# Altium PCB PCB_control_unit.PcbDoc (part 2 of 2)
Units mm, origin at the board's own origin, x right, y up, seen from the top; angles counter-clockwise.
Board outline 61.5 x 45 mm, 4 copper layers (Top Layer, INT1, INT2, Bottom Layer), stack 1.49 mm thick; 117 components, 75 nets, 372 pads, 126 vias.
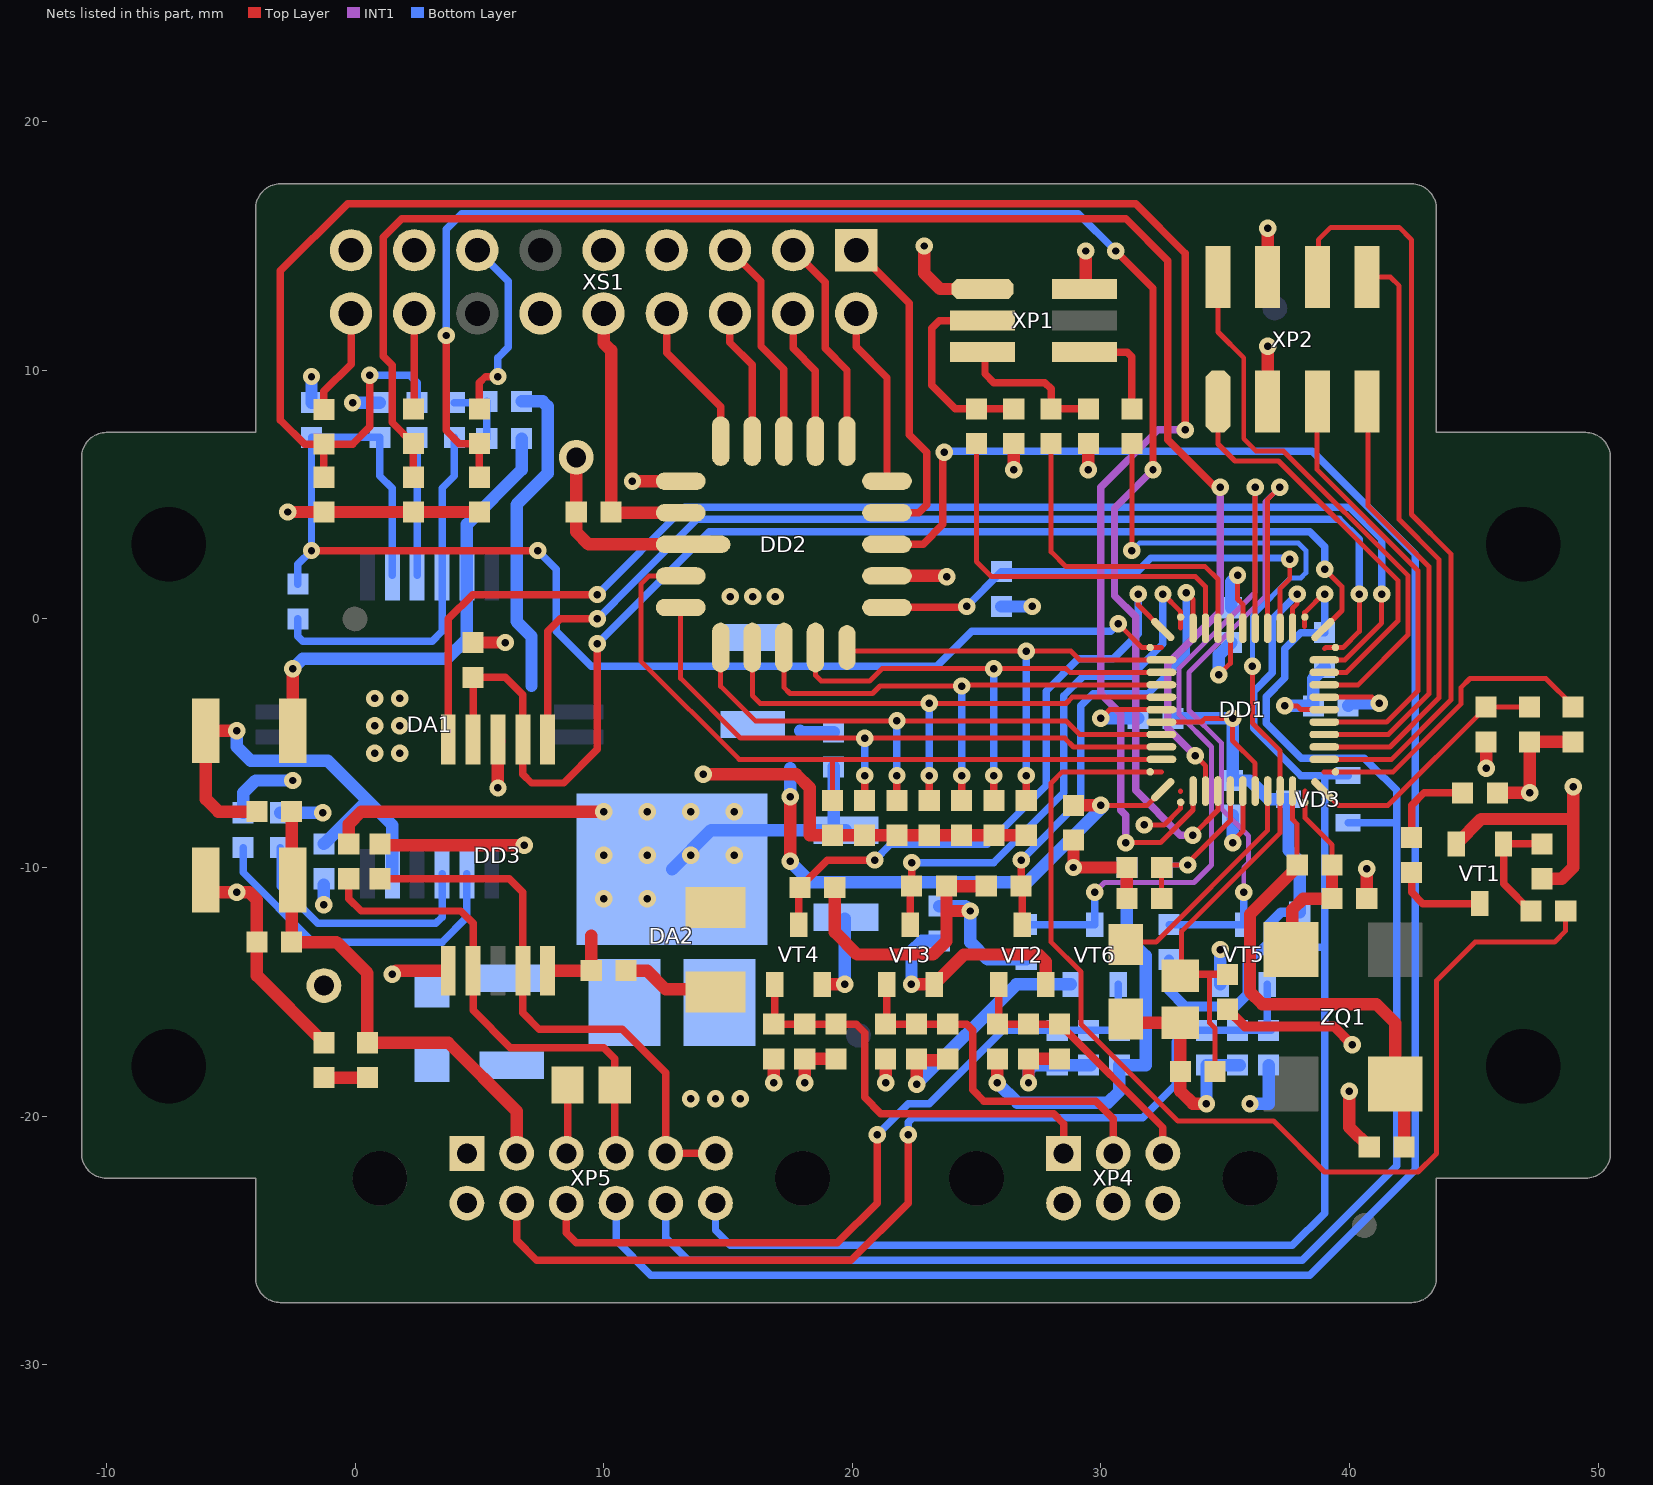
[diagram p4: the nets of this part, all layers, seen from the top]

## Part data (continued)
ZQ1: library part Oscilator_5070, Frequency=12MHz, LoadCapacitance=CMOS, Manufacturer="ОАО \"Морион\"", Package="case 5070", PartNumber=РК486-8ДС-12000K, Temperature=-40...+85°C, Tolerance=±30ppm, CommentPart=РК486-8ДС, HelpURL=http://www.lit-phonon.ru/downloads/RK486.pdf, MAX=00149842, TypeOscilator=Oscilator, ValueManufacturerPartNumber="Oscilator, 12MHz, CMOS, ±30ppm, case 5070, -40...+85°C"

## Free pads (board coordinates)
  round 0 hole 3 slot 5 at 90 deg unplated mask+0.2: KREP(-7.5,-18) KREP(-7.5,3) KREP(47,-18) KREP(47,3)

## Via types
v1: diameter 0.7, hole 0.3, Top Layer to Bottom Layer, tented both sides, 126 vias

## Nets (pads, with @x,y where several pads share a name; then routed paths per layer and width w, separated by ;. In a path a pad name is that pad's centre, name@x,y a point inside that pad or via, vN(x,y) a via of type N, cw(c..) or ccw(c..) an arc to the next point about the centre after c; other vN are vias at no path point)
5VDC_MOSFET: DD2.11 XP5.8 | length 86.8
  Top Layer w0.3: DD2.11@21.4,3 22.85,3 23.65,3.8 v1@23.65,6.7
  Bottom Layer w0.3: XP5.8@10.5,-23.5 10.5,-25 11.9,-26.4 38.4,-26.4 42.65,-22.15 42.65,2.6 38.5,6.75 v1@23.75,6.75
  other v1: 23.7,6.7
5VPWM_U_HI: DD2.16 XS1.5 | length 8.6
  Top Layer w0.3: XS1.5@15.08,14.83 16.33,13.58 16.33,10.97 17.25,10.05 DD2.16@17.25,7.15
5VPWM_U_LO: DD2.17 XS1.6 | length 5.5
  Top Layer w0.3: XS1.6@15.08,12.29 15.08,11.12 15.98,10.22 DD2.17@15.98,7.15
5VPWM_V_HI: DD2.14 XS1.3 | length 8.6
  Top Layer w0.3: XS1.3@17.62,14.83 18.91,13.54 18.91,10.89 19.79,10.01 DD2.14@19.79,7.15
5VPWM_V_LO: DD2.15 XS1.4 | length 5.5
  Top Layer w0.3: XS1.4@17.62,12.29 17.62,10.88 18.52,9.98 DD2.15@18.52,7.15
5VPWM_W_HI: DD2.12 XS1.1 | length 13.1
  Top Layer w0.3: XS1.1@20.16,14.83 22.3,12.69 22.3,7.4 23,6.7 23,4.6 22.67,4.27 DD2.12@21.4,4.27
5VPWM_W_LO: DD2.13 XS1.2 | length 7.3
  Top Layer w0.3: XS1.2@20.16,12.29 20.16,10.94 21.4,9.7 DD2.13@21.4,5.54
5VSD: DD2.18 XS1.8 | length 5.9
  Top Layer w0.3: XS1.8@12.54,12.16 12.54,10.71 14.71,8.54 DD2.18@14.71,7.15
5VTEST: C18.2 DD1.29 R27.2 R31.1 | length 7.1
  Top Layer w0.2: R31.1@32.45,-11.25 C18.2@32.45,-10 32.55,-9.9 v1(33.5,-9.9) 33.5,-9.819 35.211,-8.108 DD1.29@35.211,-6.925
  Bottom Layer w0.2: R27.2@32.45,-10 32.55,-9.9 v1(33.5,-9.9)
15DC_IN: R24.1 XS1.13 | length 7.7
  Top Layer w0.3: R24.1@5.05,8.5 R24.1@5,8.45 5,9.5 5.25,9.75 v1(5.75,9.75)
  Bottom Layer w0.3: XS1.13@4.92,14.83 6.17,13.58 6.17,10.92 5.75,10.5 v1(5.75,9.75)
15VTEST: C14.2 DD1.28 R24.2 | length 67.5
  Top Layer w0.2: v1@33.7,-8.55 v1(33.7,-8.7) 34.711,-7.689 DD1.28@34.711,-6.925
  Top Layer w0.3: v1(3.67,11.4) 3.67,7.58 4.2,7.05 R24.2@5,7.05 C14.2@5,5.7 ; v1(30.6,14.8) 32.1,13.3 v1(32.1,6)
  INT1 w0.3: v1(32.1,6) 30.55,4.45 30.55,0.94 31.4,0.09 31.4,-6.9 33.2,-8.7 v1(33.7,-8.7)
  Bottom Layer w0.3: v1(3.67,11.4) 3.67,15.67 4.3,16.3 29.1,16.3 v1(30.6,14.8)
+3.3V(A): C9.2 C24.2 DD1.24 L2.1 R19.1 R20.1 R25.2 XS1.15 | length 39.3
  Top Layer w0.2: v1(30,-7.5) 31.861,-7.5 DD1.24@32.491,-6.87
  Top Layer w0.5: v1(17.5,-9.75) v1(17.5,-7.15) ; C9.2@28.9,-7.5 v1(30,-7.5)
  Bottom Layer w0.5: R25.2@-3,-7.8 v1(-1.3,-7.8) ; v1(-0.1,8.7) R20.1@1,8.7 ; R19.1@6.7,8.75 7.55,8.75 7.75,8.55 7.75,5.85 6.5,4.6 6.5,-0.1 7.1,-0.7 7.1,-2.7 ; v1(17.5,-9.75) 18.35,-10.6 27.031,-10.6 30.1,-7.531 30.069,-7.5 v1(30,-7.5) ; v1(17.5,-7.15) 17.5,-6 ; 17.9,-4.5 17.95,-4.55 L2.1@19.25,-4.55
  other v1: 0.8,-5.4 1.8,-5.4 0.8,-4.3 1.8,-4.3 0.8,-3.2 1.8,-3.2
+3.3V(D): C4.2 C5.2 C6.2 C7.2 C21.1 C22.2 C23.2 C27.1 DA2.1 DD1.7 DD1.19 DD1.31 DD1.42 DD3.8 L2.2 R3.1 R9.1 R10.2 R29.1 R33.1 R36.1 R38.1 R39.1 R41.1 R44.1 R47.1 R51.1 SRV.1 VD3.3 XP1.1 XP2.3 | length 95
  Top Layer w0.2: DD1.19@32.436,-4.15 34.05,-4.15 34.2,-4 v1(35.3,-4) 35.3,-4.9 36.211,-5.811 DD1.31@36.211,-6.925 ; v1(34.75,-2.25) 35.211,-1.789 DD1.7@35.211,-0.375 ; v1@37.4,-3.65 v1(37.4,-3.5) 37.9,-3.5 38.05,-3.65 DD1.42@38.986,-3.65
  Top Layer w0.4: R10.2@35.1,-15.7 35.8,-16.4 39.381,-16.4 v1(40.116,-17.134)
  Top Layer w0.5: R44.1@-0.25,-9.05 -0.25,-8.25 0.25,-7.75 v1@9.75,-7.75 ; DD3.8@7.75,-14.15 C27.1@9.5,-14.15 9.5,-12.75 ; R36.1@19.3,-10.8 19.3,-12.6 20.2,-13.5 23.25,-13.5 23.792,-12.958 R33.1@23.792,-10.75 R29.1@25.392,-10.75 ; v1(22.9,15) 22.9,13.9 23.53,13.27 XP1.1@25.342,13.27 ; 23.842,-11.75 v1(24.75,-11.75) ; v1(26.5,6) R51.1@26.5,7.05 ; XP2.3@36.711,8.75 v1(36.711,10.961) ; R3.1@45.95,-7 v1(47.25,-7) SRV.1@47.25,-4.95 R9.1@49,-4.95
  Bottom Layer w0.4: R41.1@32.75,-13.7 32.75,-14.95 33.4,-15.6 35.4,-15.6 35.9,-15.1 35.9,-13.9 36.75,-13.05 36.75,-12.3 37.25,-11.8 R39.1@38,-11.8
  Bottom Layer w0.5: DA2.1@12.75,-10.075 14.325,-8.5 C23.2@19.75,-8.5 ; C23.2@19.25,-8.45 L2.2@19.25,-5.95 ; C22.2@23.5,-11.55 24.55,-11.55 v1(24.75,-11.75) 24.75,-13 25.45,-13.7 R47.1@27,-13.7 ; C4.2@32.9,-4 v1(35.3,-4) C7.2@35.3,-6.5 36,-6.5 36.75,-7.25 VD3.3@37.55,-7.25 37.55,-9.3 38,-9.75 R39.1@38,-11.8 ; v1(34.75,-2.25) 34.75,-1.45 C5.2@35.25,-0.95 ; v1(37.4,-3.5) C6.2@38.55,-3.5 38.55,-2.4 R38.1@39,-1.95
  other v1: 10,-11.25 11.75,-11.25 10,-9.5 11.75,-9.5 13.5,-9.5 15.25,-9.5 10,-7.75 11.75,-7.75 13.5,-7.75 15.25,-7.75
+5V(A): C11.2 C17.2 DA1.14 L1.1 | length 19.2
  Top Layer w0.5: C17.2@-6.175,-4.25 C17.2@-6,-4.425 ; v1(-4.75,-4.5) C17.2@-6,-4.5 -6,-7.25 -5.5,-7.75 L1.1@-3.95,-7.75
  Bottom Layer w0.5: v1(-4.75,-4.5) -4.75,-5.15 -4.2,-5.7 -1.1,-5.7 0.4,-7.2 ; C11.2@-1.25,-9.05 0.4,-7.4 0.4,-7.2 ; DA1.14@1.5,-10.25 1.5,-8.3 0.4,-7.2
+5V(D): C10.2 C15.2 C16.2 C20.2 C30.1 DA2.2 DD2.20 L1.2 R27.1 R28.1 R30.1 R34.1 R37.1 R42.1 R48.1 XP4.4 XP5.3 XS1.10 XS1.12 | length 52
  Top Layer w0.5: C16.2@-2.55,-10.45 L1.2@-2.55,-7.75 ; C16.2@-2.325,-11 -2.55,-11.225 C15.2@-2.55,-13 -0.75,-13 0.5,-14.25 R28.1@0.5,-17.05 3.75,-17.05 6.5,-19.8 XP5.3@6.5,-21.5 ; XS1.10@10,12.29 10,11.1 10.3,10.8 C10.2@10.3,4.3 ; C10.2@10.2,4.27 DD2.20@13.1,4.27 ; v1(16.842,-18.661) R37.1@16.842,-17.7 ; v1(21.342,-18.661) R34.1@21.342,-17.7 ; v1(25.842,-18.661) R30.1@25.842,-17.7
  Bottom Layer w0.5: v1(25.842,-18.661) 26.642,-19.461 30.289,-19.461 30.75,-19 R48.1@30.75,-17.95 31.8,-17.95 31.8,-13.55 31.05,-12.8 R27.1@31.05,-10 ; v1(36,-19.5) 36.75,-19.5 R42.1@36.75,-17.95
\R\E\S\E\T\: C8.2 DD1.33 R6.1 R10.1 RES.2 | length 37.6
  Top Layer w0.2: v1(31.25,2.75) R6.1@31.25,7.05 ; C8.2@33.25,-14.25 33.25,-12.566 37.211,-8.604 DD1.33@37.211,-6.925 37.211,-5.309 36.1,-4.198 v1(36.1,-1.9) ; 34.4,-14.3 34.375,-14.325 34.375,-16.249 34.6,-16.474 RES.2@34.6,-18.2
  Top Layer w0.3: C8.2@33.25,-14.25 33.3,-14.3 34.4,-14.3 R10.1@35,-14.3
  Bottom Layer w0.2: v1(31.25,2.75) 31.55,3.05 37.95,3.05 38.25,2.75 38.25,1.85 38.05,1.65 37.631,1.65 36.1,0.119 v1(36.1,-1.9)
A: DD3.6 R43.2 R44.2 XP5.7 | length 19.7
  Top Layer w0.3: R44.2@-0.25,-10.45 -0.25,-11.25 0.25,-11.75 4.25,-11.75 4.75,-12.25 DD3.6@4.75,-14.15 4.75,-15.75 6.25,-17.25 10,-17.25 10.45,-17.7 R43.2@10.45,-18.75 10.45,-21.15 XP5.7@10.5,-21.2
ADR0: DD1.1 R38.2 VD3.2 XP5.10 | length 64.5
  Top Layer w0.2: 38.2,-0.3 38.2,0.25 v1@39,1.05
  Bottom Layer w0.3: XP5.10@12.5,-23.5 12.5,-24.9 13.4,-25.8 38.1,-25.8 41.9,-22 41.9,-6.9 40.9,-5.9 40.6,-5.6 38.057,-5.6 36.65,-4.193 36.65,-3.126 37.4,-2.376 37.4,-1.2 38.05,-0.55 R38.2@39,-0.55 v1(39,1) ; VD3.2@39.95,-8.2 40.2,-8.2 41.8,-8.2
ADR1: DD1.2 R39.2 VD3.1 XP5.12 | length 57.1
  Top Layer w0.2: DD1.2@37.711,-0.375 37.711,0.427 37.9,0.616 v1(37.9,1)
  Bottom Layer w0.3: XP5.12@14.5,-23.5 14.5,-24.6 15.1,-25.2 37.7,-25.2 39,-23.9 39,-6.3 ; 36.9,0 36.9,-2.169 36.15,-2.919 36.15,-4.4 38.05,-6.3 39,-6.3 ; 36.95,0.05 v1(37.9,1) v1@37.85,1 ; R39.2@38,-13.2 39,-13.2 ; VD3.1@39.95,-6.3 39,-6.3
AGND: C9.1 C11.1 C12.2 C13.1 C14.1 C17.1 C18.1 C24.1 C32.2 DA1.6 DD1.25 NT1.2 R23.2 R26.2 R31.2 XP6.1 XS1.17 | length 37.8
  Top Layer w0.2: v1(31.75,-8.289) 32.546,-8.289 33.211,-7.623 DD1.25@33.211,-7.375 ; 33.2,-6.936 33.211,-6.925
  Top Layer w0.5: v1(-2.7,4.3) C12.2@-1.25,4.3 C14.1@5,4.3 ; C17.1@-2.5,-4.5 v1(-2.5,-2) ; C9.1@28.9,-8.9 v1(28.9,-10) C18.1@31.05,-10 R31.2@31.05,-11.25
  Bottom Layer w0.5: R26.2@-4.5,-7.8 -4.5,-7 -4,-6.5 v1(-2.5,-6.5) ; v1(-2.5,-2) -2.1,-1.6 3.7,-1.6 4.5,-0.8 DA1.6@4.5,1.75 4.5,3.8 6.7,6 R23.2@6.7,7.25 ; C32.2@-1.75,8.7 v1@-1.75,9.5 ; v1(-1.25,-11.5) C11.1@-1.25,-10.7
  other v1: 15.1,0.9 16,0.9 16.9,0.9 -1.75,9.75
B: DD3.7 R46.1 XP5.9 XP5.11 | length 22.8
  Top Layer w0.3: R46.1@1,-10.45 6.2,-10.45 6.75,-11 DD3.7@6.75,-14.15 6.75,-15.85 7.4,-16.5 10.75,-16.5 12.5,-18.25 XP5.9@12.5,-21.5 XP5.11@14.5,-21.5
DC_MOSFET: DD1.3 DD2.9 R55.1 | length 20
  Top Layer w0.2: DD1.3@37.211,-0.375 37.211,1.231 37.6,1.619 v1(37.6,2.4)
  Top Layer w0.3: DD2.9@21.4,0.46 24.56,0.46 v1(24.6,0.5)
  Bottom Layer w0.3: v1(24.6,0.5) R55.1@26,1.9 31.466,1.9 32.016,2.45 37.55,2.45 v1(37.6,2.4)
"DE (RS)": DD1.48 DD3.2 DD3.3 R50.1 | length 51.2
  Top Layer w0.2: DD1.48@38.931,-0.43 39.7,0.339 39.7,1.3 v1(39,2)
  Top Layer w0.3: DD3.3@4.75,-4.85 R50.1@4.75,-2.35 6.05,-2.35 6.75,-3.05 DD3.2@6.75,-4.85 6.75,-6.25 7.1,-6.6 8.4,-6.6 9.75,-5.25 v1(9.75,-1)
  Bottom Layer w0.3: v1(9.75,-1) 14.25,3.5 38.4,3.5 39,2.9 v1(39,2)
DGND: C1.2 C2.2 C3.2 C4.1 C5.1 C6.1 C7.1 C8.1 C10.1 C15.1 C16.1 C19.2 C20.1 C21.2 C22.1 C23.1 C25.2 C26.2 C27.2 C28.2 C30.2 C31.2 DA2.3 DD1.6 DD1.18 DD1.30 DD1.43 DD2.1 DD2.10 DD2.19 DD3.5 DD3.9 NT1.1 R5.2 R8.1 R11.2 R12.2 R13.2 R14.2 R15.2 R16.2 R17.2 R32.1 R35.1 R40.1 R45.1 R46.2 R49.1 R50.2 R52.1 R55.2 RES.1 VD2.2 VT1.2 VT2.2 VT3.2 VT4.2 VT5.2 VT6.2 XP1.2 XP2.4 XP3.1 XP4.2 XP4.6 XP5.1 XP5.2 XS1.7 XS1.9 | length 129.4
  Top Layer w0.2: v1(30,-4) 30.35,-3.65 DD1.18@32.436,-3.65 ; v1(35.3,-9) 35.3,-8.95 35.711,-8.539 DD1.30@35.711,-6.925 ; v1(35.5,1.75) 35.5,0.8 35.711,0.589 DD1.6@35.711,-0.375 ; DD1.43@38.986,-3.15 40.9,-3.15 41.15,-3.4 v1(41.2,-3.4)
  Top Layer w0.4: DD2.1@12.75,2.99 DD2.1@14.655,2.99
  Top Layer w0.5: C16.1@-6,-11 v1(-4.75,-11) -4.25,-11 -3.95,-11.3 C15.1@-3.95,-13 -3.95,-14.35 VD2.2@-1.25,-17.05 ; R46.2@1,-9.05 1.05,-9 1.15,-9.1 v1(6.8,-9.1) ; v1(1.5,-14.3) 1.65,-14.15 DD3.5@3.75,-14.15 ; R50.2@4.75,-0.95 v1(6.05,-0.95) ; v1(5.75,-6.8) DD3.9@5.75,-4.85 DD3.9@5.8,-4.9 ; XP3.1@8.9,6.5 C10.1@8.9,4.3 8.9,3.5 9.4,3 DD2.1@13.6,3 ; C27.2@10.9,-14.15 11.75,-14.15 12.5,-14.9 C21.2@14.5,-14.9 ; v1(11.16,5.54) DD2.19@13.1,5.54 ; v1(14,-6.25) 17.75,-6.25 18.3,-6.8 18.3,-8.7 19.25,-8.7 R17.2@26.837,-8.7 ; v1(18.092,-18.661) R40.1@18.092,-17.7 C26.2@19.342,-17.7 ; VT4.2@18.792,-14.7 v1(19.7,-14.7) ; DD2.10@21.4,1.73 v1@23.77,1.73 ; v1(22.384,-14.7) VT3.2@23.292,-14.7 24.492,-13.5 27.5,-13.5 27.792,-13.792 VT2.2@27.792,-14.7 ; v1(22.592,-18.711) 22.592,-17.75 C25.2@23.63,-17.75 ; v1(27.092,-18.661) R32.1@27.092,-17.7 C19.2@28.342,-17.7 ; XP1.2@29.242,13.27 29.4,13.428 v1(29.4,14.8) ; v1(29.5,6) R52.1@29.5,7.05 ; C1.2@31,-16.35 31.1,-16.25 33.25,-16.25 33.2,-16.3 RES.1@33.2,-18.2 33.2,-19 33.7,-19.5 v1(34.25,-19.5) ; XP2.4@36.711,13.75 v1(36.711,15.711) ; v1(40,-19) 40,-20.45 C2.2@40.8,-21.25 ; C3.2@40.7,-11.25 v1(40.7,-10.05) ; VT1.2@44.3,-9.05 45.3,-8.05 48.95,-8.05 ; v1(45.5,-6) R5.2@45.5,-4.95 ; R8.1@48.05,-10.5 48,-10.45 48.55,-10.45 49,-10 v1(49,-6.75)
  Bottom Layer w0.5: v1(19.7,-14.7) C23.1@19.7,-12.05 ; v1(22.384,-14.7) 22.384,-13.366 22.8,-12.95 C22.1@23.5,-12.95 ; v1(22.592,-18.711) 26.603,-14.7 VT6.2@28.8,-14.7 ; R55.2@26,0.5 v1(27.25,0.5) ; v1(27.092,-18.661) 27.092,-18.158 27.3,-17.95 C31.2@28.25,-17.95 ; C31.2@28.35,-17.95 R49.1@29.6,-17.95 ; v1(30,-4) C4.1@31.5,-4 ; v1(34.25,-19.5) C28.2@34.25,-17.95 ; C28.2@34.35,-17.95 R45.1@35.6,-17.95 ; VT5.2@34.8,-14.7 v1(34.8,-13.3) ; C5.1@35.25,0.45 35.25,1.5 v1(35.5,1.75) ; v1(35.3,-9) C7.1@35.3,-7.9 ; C6.1@39.95,-3.5 40.05,-3.4 v1(41.2,-3.4)
  other v1: 13.5,-19.3 14.5,-19.3 15.5,-19.3 23.8,1.7
"DI (RS)": DD1.46 DD3.4 | length 51.1
  Top Layer w0.2: DD1.46@38.986,-1.65 39.816,-1.65 41.3,-0.166 v1(41.3,1)
  Top Layer w0.3: DD3.4@3.75,-4.85 3.75,0 4.73,0.98 v1(9.75,0.98)
  Bottom Layer w0.3: v1(9.75,0.98) 13.27,4.5 40,4.5 41.3,3.2 v1(41.3,1)
HALL_U: DD1.10 R29.2 VT2.3 | length 19
  Top Layer w0.2: v1(33.444,1.05) 33.711,0.783 DD1.10@33.711,-0.375
  Top Layer w0.3: v1(26.8,-9.7) 26.8,-10.742 R29.2@26.792,-10.75 R29.2@26.842,-10.7 ; VT2.3@26.842,-12.3 R29.2@26.842,-10.8
  Bottom Layer w0.3: v1@26.803,-9.7 v1(26.8,-9.7) 29.2,-7.3 29.2,-3.5 29.7,-3 31.9,-3 33.444,-1.456 v1(33.444,1.05) v1@33.437,1.05
"HALL_U (5V)": C19.1 R30.2 R32.2 VT2.1 XP4.5 | length 11
  Top Layer w0.3: R30.2@25.842,-16.3 C19.1@28.342,-16.3 32.5,-20.458 XP4.5@32.5,-21.5 ; R30.2@25.892,-16.25 VT2.1@25.892,-14.7
HALL_V: DD1.11 R33.2 VT3.3 | length 22.2
  Top Layer w0.2: v1(32.5,1) 33.211,0.289 33.211,-0.375
  Top Layer w0.3: VT3.3@22.342,-12.3 R33.2@22.342,-10.8 ; R33.2@22.392,-10.75 22.4,-10.742 v1(22.4,-9.8)
  Bottom Layer w0.3: v1(22.4,-9.8) 25.7,-9.8 28.5,-7 28.5,-3.1 29.3,-2.3 31.2,-2.3 32.5,-1 v1(32.5,1)
"HALL_V (5V)": C25.1 R34.2 R35.2 VT3.1 XP4.3 | length 15.1
  Top Layer w0.3: R34.2@21.342,-16.3 R35.2@22.592,-16.3 C25.1@23.842,-16.3 24.6,-16.3 24.842,-16.542 24.842,-18.942 25.3,-19.4 29.8,-19.4 30.5,-20.1 XP4.3@30.5,-21.5 ; R34.2@21.392,-16.25 VT3.1@21.392,-14.7
HALL_W: DD1.12 R36.2 VT4.3 | length 25
  Top Layer w0.2: v1(31.5,1) 31.5,0.561 DD1.12@32.491,-0.43
  Top Layer w0.3: VT4.3@17.842,-12.3 17.842,-10.858 R36.2@17.9,-10.8 19,-9.7 v1(20.9,-9.7)
  Bottom Layer w0.3: v1(20.9,-9.7) 21.525,-9.075 25.425,-9.075 27.8,-6.7 27.8,-2.9 29.1,-1.6 30.5,-1.6 31.5,-0.6 v1(31.5,1)
"HALL_W (5V)": C26.1 R37.2 R40.2 VT4.1 XP4.1 | length 17.6
  Top Layer w0.3: VT4.1@16.892,-14.7 16.892,-16.3 R40.2@18.092,-16.3 C26.1@19.342,-16.3 20.16,-16.3 20.5,-16.64 20.5,-19.25 21.15,-19.9 28.1,-19.9 28.5,-20.3 XP4.1@28.5,-21.5
IDC: C12.1 DD1.26 R18.2 R22.1 | length 84.9
  Top Layer w0.2: v1(31,-9) 32.4,-9 33.711,-7.689 DD1.26@33.711,-6.925
  Top Layer w0.3: C12.1@-1.25,5.7 R18.2@-1.25,7.03 ; v1@0.6,9.7 0.6,7.73 -0.1,7.03 R18.2@-1.25,7.03 ; v1(33.4,7.6) 33.4,14.7 31.4,16.7 -0.3,16.7 -3,14 -3,8 -2.03,7.03 R18.2@-1.25,7.03
  INT1 w0.3: v1(31,-9) 31,-7.89 30.8,-7.69 30.8,-3.81 30,-3.01 30,5.3 32.3,7.6 v1(33.4,7.6)
  Bottom Layer w0.3: v1(0.6,9.8) 2.2,9.8 2.5,9.5 R22.1@2.5,8.7
IDC_IN: R18.1 XS1.18 | length 4.3
  Top Layer w0.3: R18.1@-1.25,8.43 -1.25,9.15 -0.16,10.24 XS1.18@-0.16,12.29
LED: DD1.23 R7.2 | length 45.7
  Top Layer w0.2: 32.436,-6.15 28.45,-6.15 28,-6.6 28,-13 29.2,-14.2 29.2,-16.3 33.1,-20.2 36.95,-20.2 39,-22.25 42.76,-22.25 43.5,-21.51 43.5,-14.55 45.05,-13 48.25,-13 48.7,-12.55 R7.2@48.7,-11.75
LIMIT_L: DD1.4 R41.2 VT5.3 | length 29.1
  Top Layer w0.2: DD1.4@36.711,-0.375 36.711,4.811 v1(37.2,5.3)
  INT1 w0.2: v1(35.75,-11) 35.75,-10 35.95,-9.8 35.95,-8.731 34.85,-7.631 34.85,-4.984 33.55,-3.684 33.55,-2.152 36.6,0.898 36.6,4.7 v1(37.2,5.3)
  Bottom Layer w0.3: R41.2@32.75,-12.3 VT5.3@35.75,-12.3 v1(35.75,-11)
"Limit_L (5V)": C28.1 R42.2 R45.2 VT5.1 XP5.4 | length 40.6
  Top Layer w0.3: XP5.4@6.5,-23.5 6.5,-25 7.3,-25.8 19.95,-25.8 22.25,-23.5 v1(22.25,-20.75)
  Bottom Layer w0.3: v1(22.25,-20.75) 22.25,-20.25 22.439,-20.061 31.689,-20.061 33,-18.75 33,-17 33.45,-16.55 C28.1@34.25,-16.55 ; C28.1@34.35,-16.55 R42.2@36.85,-16.55 ; R42.2@36.7,-16.5 VT5.1@36.7,-14.7
LIMIT_R: DD1.5 R47.2 VT6.3 | length 31.9
  Top Layer w0.2: DD1.5@36.211,-0.375 v1(36.211,5.3)
  INT1 w0.2: v1(29.75,-11) 30.15,-10.6 33.749,-10.6 34.45,-9.899 34.45,-5.15 33.15,-3.85 33.15,-1.986 36.2,1.064 36.2,5.289 v1(36.211,5.3)
  Bottom Layer w0.3: R47.2@27,-12.3 VT6.3@29.75,-12.3 v1(29.75,-11)
"Limit_R (5V)": C31.1 R48.2 R49.2 VT6.1 XP5.6 | length 30.6
  Top Layer w0.3: XP5.6@8.5,-23.5 8.5,-24.7 8.9,-25.1 19.4,-25.1 21,-23.5 v1(21,-20.75)
  Bottom Layer w0.3: v1(21,-20.75) 22.25,-19.5 23.1,-19.5 26.05,-16.55 C31.1@28.25,-16.55 ; C31.1@28.35,-16.55 R48.2@30.75,-16.55 ; VT6.1@30.7,-14.7 30.7,-16.5 R48.2@30.75,-16.55 ; R48.2@30.85,-16.55 R48.2@30.75,-16.55
NetC1_1: C1.1 DD1.32 | length 9.2
  Top Layer w0.2: C1.1@31,-13.15 31.15,-13 32.219,-13 36.711,-8.508 DD1.32@36.711,-6.925
NetC2_1: C2.1 DD1.34 R1.2 ZQ1.1 | length 20.3
  Top Layer w0.2: DD1.34@37.711,-6.925 37.711,-8.066 37.9,-8.254 37.9,-9.981 R1.2@37.8,-10.081
  Top Layer w0.5: R1.2@37.8,-10.081 36,-11.881 36,-15 36.5,-15.5 41.084,-15.5 41.85,-16.266 ZQ1.1@41.85,-18.705 ; ZQ1.1@42,-18.4 ZQ1.1@42.4,-18.8 ; C2.1@42.2,-21.25 ZQ1.1@42.2,-19.25
NetC3_1: C3.1 DD1.35 R1.1 ZQ1.3 | length 8.2
  Top Layer w0.2: 38.211,-6.925 38.211,-8 39.3,-9.089 R1.1@39.3,-9.85
  Top Layer w0.5: ZQ1.3@37.7,-13.29 37.7,-11.7 38.15,-11.25 C3.1@39.3,-11.25 R1.1@39.3,-9.9 R1.1@39.3,-9.85
NetDA1_4: DA1.4 R22.2 | length 5.5
  Bottom Layer w0.3: DA1.4@2.5,1.75 R22.2@2.5,7.3
NetDA1_5: DA1.5 R53.1 R54.2 | length 14.8
  Bottom Layer w0.3: R53.1@-2.3,0 -2.3,-0.7 -2.1,-0.9 3.1,-0.9 3.5,-0.5 DA1.5@3.5,1.75 3.5,5.25 4,5.75 R54.2@4,7.3
NetDA1_11: DA1.11 R26.1 | length 13.3
  Bottom Layer w0.3: R26.1@-4.5,-9.2 -4.5,-10.2 -1.7,-13 3.5,-13 4.5,-12 DA1.11@4.5,-10.25
NetDA1_12: DA1.12 R25.1 | length 10.5
  Bottom Layer w0.3: R25.1@-3,-9.2 -3,-10.75 -1.5,-12.25 3.25,-12.25 3.5,-12 DA1.12@3.5,-10.25
NetDD1_36: DD1.36 R5.1 SRV.2 | length 10.2
  Top Layer w0.2: DD1.36@38.931,-6.87 39.561,-7.5 41.55,-7.5 R5.1@45.5,-3.55 SRV.2@47.25,-3.55
NetDD1_37: DD1.37 R9.2 | length 12.4
  Top Layer w0.2: 38.986,-6.15 DD1.37@39.436,-6.15 41.763,-6.15 44.483,-3.43 44.483,-2.767 44.85,-2.4 47.9,-2.4 R9.2@49,-3.5
NetR2_2: R2.2 R51.2 XP1.3 | length 8.3
  Top Layer w0.3: XP1.3@25.342,12 23.5,12 23.2,11.7 23.2,9.4 24.15,8.45 R2.2@25,8.45 R51.2@26.5,8.45
NetR3_2: R3.2 VD1.1 | length 3.6
  Top Layer w0.3: VD1.1@42.5,-8.8 42.5,-7.5 43,-7 R3.2@44.55,-7
NetR4_2: R4.2 R52.2 XP1.5 | length 6.1
  Top Layer w0.3: XP1.5@25.3,10.688 25.342,10.73 25.342,9.858 25.7,9.5 27.75,9.5 28,9.25 R4.2@28,8.45 R52.2@29.5,8.45
NetR6_2: R6.2 XP1.6 | length 4.2
  Top Layer w0.3: XP1.6@29.242,10.73 31.07,10.73 31.25,10.55 R6.2@31.25,8.45
NetR7_1: R7.1 R8.2 VT1.1 | length 5
  Top Layer w0.3: R7.1@47.3,-11.75 46.2,-10.65 VT1.1@46.2,-9.05 R8.2@48,-9.05
NetR19_2: R19.2 R23.1 R54.1 | length 2.7
  Bottom Layer w0.3: R54.1@4,8.7 R19.2@5.25,8.7 ; R23.1@5.3,7.25 R19.2@5.3,8.75
NetR28_2: R28.2 VD2.1 | length 1.8
  Top Layer w0.5: VD2.1@-1.25,-18.45 R28.2@0.5,-18.45
NetR43_1: R43.1 XP5.5 | length 2.5
  Top Layer w0.3: XP5.5@8.5,-21.2 8.55,-21.15 R43.1@8.55,-18.75
NetVD1_2: VD1.2 VT1.3 | length 3.7
  Top Layer w0.3: VD1.2@42.5,-10.2 42.5,-11 42.95,-11.45 VT1.3@45.25,-11.45
PWM_U_HI: DD1.20 DD2.4 R13.1 | length 23.3
  Top Layer w0.2: DD2.4@14.71,-1.15 14.71,-2.71 16.1,-4.1 v1(21.8,-4.1) 28.6,-4.1 29.15,-4.65 DD1.20@32.436,-4.65
  Top Layer w0.3: R13.1@21.8,-7.3 v1(21.8,-6.3)
  Bottom Layer w0.3: v1(21.8,-6.3) v1(21.8,-4.1)
PWM_U_LO: DD1.21 DD2.3 R12.1 | length 25.6
  Top Layer w0.2: DD2.3@13.1,0.46 13.1,-2.392 15.508,-4.8 v1(20.5,-4.8) 28.55,-4.8 28.9,-5.15 DD1.21@32.436,-5.15
  Top Layer w0.3: R12.1@20.5,-7.3 v1(20.5,-6.3)
  Bottom Layer w0.3: v1(20.5,-6.3) v1@20.5,-5
PWM_V_HI: DD1.16 DD2.6 R15.1 | length 21.6
  Top Layer w0.2: DD2.6@17.25,-1.15 17.25,-2.75 17.5,-3 20.815,-3 21.115,-2.7 v1(24.4,-2.7) 24.45,-2.65 DD1.16@32.436,-2.65
  Top Layer w0.3: R15.1@24.4,-7.3 v1(24.4,-6.3)
  Bottom Layer w0.3: v1(24.4,-6.3) v1(24.4,-2.7)
PWM_V_LO: DD1.17 DD2.5 R14.1 | length 22.4
  Top Layer w0.2: DD2.5@15.98,-1.15 15.98,-3.08 16.3,-3.4 v1(23.1,-3.4) 28.6,-3.4 28.85,-3.15 DD1.17@32.436,-3.15
  Top Layer w0.3: R14.1@23.1,-7.3 v1(23.1,-6.3)
  Bottom Layer w0.3: v1(23.1,-6.3) v1@23.1,-3.5
PWM_W_HI: DD1.14 DD2.8 R17.1 | length 18.9
  Top Layer w0.2: DD2.8@19.79,-1.15 19.94,-1.3 v1(27,-1.3) 28.8,-1.3 29.15,-1.65 DD1.14@32.436,-1.65
  Top Layer w0.3: R17.1@27,-7.3 v1(27,-6.3)
  Bottom Layer w0.3: v1(27,-6.3) v1(27,-1.3)
PWM_W_LO: DD1.15 DD2.7 R16.1 | length 20.7
  Top Layer w0.2: DD2.7@18.52,-1.15 18.52,-2.27 18.75,-2.5 20.7,-2.5 21.2,-2 v1(25.7,-2) 28.6,-2 28.75,-2.15 DD1.15@32.436,-2.15
  Top Layer w0.3: R16.1@25.7,-7.3 v1(25.7,-6.3)
  Bottom Layer w0.3: v1(25.7,-6.3) v1(25.7,-2)
"RO (RS)": DD1.47 DD3.1 | length 44.6
  Top Layer w0.2: 39,-1.2 39.05,-1.15 DD1.47@39.436,-1.15 39.75,-1.15 40.4,-0.5 v1(40.4,1)
  Top Layer w0.3: DD3.1@7.75,-4.85 7.75,-0.5 8.25,0 v1(9.75,0)
  Bottom Layer w0.3: v1(9.75,0) 9.76,0 10.45,0.69 10.45,0.7 13.75,4 39.6,4 40.4,3.2 v1(40.4,1)
SD: DD1.22 DD2.2 R11.1 | length 29.1
  Top Layer w0.2: DD2.2@13.1,1.73 11.83,1.73 11.5,1.4 11.5,-1.7 15.45,-5.65 19.2,-5.65 ; R11.1@19.2,-7.3 19.2,-5.65 ; DD1.22@32.436,-5.65 19.2,-5.65
SPI_FSS: DD1.38 XP2.6 | length 30.2
  Top Layer w0.2: XP2.6@38.75,14.5 38.75,15.25 39.25,15.75 42,15.75 42.5,15.25 42.5,4.2 44.083,2.617 44.083,-3.264 41.697,-5.65 DD1.38@38.986,-5.65
SPI_RX: DD1.40 XP2.7 | length 17.7
  Top Layer w0.2: DD1.40@38.986,-4.65 41.566,-4.65 43.2,-3.016 43.2,2.1 40.75,4.55 40.75,8.711 XP2.7@40.711,8.75
SPI_SCK: DD1.39 XP2.8 | length 24.2
  Top Layer w0.2: DD1.39@38.986,-5.15 41.631,-5.15 43.6,-3.181 43.6,2.4 42,4 42,13.4 41.65,13.75 XP2.8@40.711,13.75 ; XP2.8@40.83,14.58 XP2.8@40.91,14.5
SPI_TX: DD1.41 XP2.5 | length 18.3
  Top Layer w0.2: XP2.5@38.7,9.45 38.7,6 42.75,1.95 42.75,-2.9 41.5,-4.15 DD1.41@38.986,-4.15
SWCLK: DD1.8 R4.1 | length 13.5
  Top Layer w0.2: R4.1@28,7.05 28,2.7 28.6,2.1 34.2,2.1 34.711,1.589 34.711,1.295 DD1.8@34.711,-0.375
SWDIO: DD1.9 R2.1 | length 16
  Top Layer w0.2: R2.1@25,7.05 25,2.306 25.606,1.7 33.811,1.7 34.211,1.3 DD1.9@34.211,-0.375
TZ: C32.1 DA1.3 DD1.13 R20.2 R53.2 | length 53.3
  Top Layer w0.2: v1(30.7,-0.2) 31.65,-1.15 32.436,-1.15
  Top Layer w0.3: v1(-1.75,2.75) v1(7.35,2.75)
  Bottom Layer w0.3: R53.2@-2.3,1.4 -2.3,2.2 v1(-1.75,2.75) C32.1@-1.75,7.3 -0.5,7.3 R20.2@1,7.3 1,5.75 1.5,5.25 DA1.3@1.5,1.75 ; v1(7.35,2.75) 8.1,2 8.1,-0.5 9.5,-1.9 23.4,-1.9 24.8,-0.5 30.4,-0.5 v1(30.7,-0.2)
UART_RX: DD1.45 XP2.1 | length 16.7
  Top Layer w0.2: XP2.1@34.711,8.75 34.711,7.039 35.4,6.35 37.15,6.35 41.95,1.55 41.95,-0.081 39.881,-2.15 DD1.45@38.986,-2.15
UART_TX: DD1.44 XP2.2 | length 22.4
  Top Layer w0.2: XP2.2@34.711,13.75 34.711,11.539 35.75,10.5 35.75,7.25 36.25,6.75 37.35,6.75 42.35,1.75 42.35,-0.65 40.35,-2.65 DD1.44@38.986,-2.65
UDC: C13.2 DD1.27 R21.2 | length 66.5
  Top Layer w0.2: v1(33.8,-5.5) 34.211,-5.911 DD1.27@34.211,-6.925
  Top Layer w0.3: C13.2@2.35,5.7 R21.2@2.35,7.05 1.5,7.9 1.5,10.2 1.13,10.57 1.13,15.348 1.882,16.1 31.014,16.1 32.7,14.414 32.7,7.79 32.7,7.21 34.61,5.3 v1(34.8,5.3)
  INT1 w0.3: v1(33.8,-5.5) 32.7,-4.4 32.7,-1.8 34.8,0.3 v1(34.8,5.3)
UDC_IN: R21.1 XS1.16 | length 3.9
  Top Layer w0.3: R21.1@2.35,8.45 2.38,8.48 XS1.16@2.38,12.29
pads on no net: DA1.1 DA1.2 DA1.7 DA1.8 DA1.9 DA1.10 DA1.13 DA1.15 DA1.16 DD3.10 REP1.R REP2.R REP3.R REP4.R XP1.4 XP4.0 XP5.0 XS1.11 XS1.14 ZQ1.2 ZQ1.4

## Polygon pours and split planes (outlines as drawn)
+3.3V(D) on INT1 "+3.3V(D)_L02_P000" (solid, remove dead copper, pour order 0): 13,8.2 13,11 21.6,11 21.6,16.75 43.5,16.75 43.5,7.5 49.5,7.5 cw(c49.5,6.5) 50.5,6.5 50.5,-15.75 50.5,-27.25 50.25,-27.5 38,-27.5 38,-16.3 9,-16.3 9,8.2
+3.3V(A) on INT1 "+3.3V(A)_L02_P012" (solid, remove dead copper, pour order 12): -4,17.5 3.25,17.5 3.25,-18 -11,-18 -11,7.5 -10.75,7.25 -4,7.25
+5V(D) on INT1 "+5V(D)_L02_P005" (solid, remove dead copper, pour order 5): 4.25,-19 -11,-19 -11,-27.5 37.5,-27.5 37.5,-16.8 8.5,-16.8 8.5,8.7 12.5,8.7 12.5,16.75 4.25,16.75
AGND on INT2 "AGND_L03_P008" (solid, remove dead copper, pour order 8): 17.3,1 14.7,1 14.7,-2 4.25,-2 4.25,17.5 -3.4,17.5 -3.4,-17.1 -0.5,-20 8.25,-20 8.25,-17.75 30.25,-17.75 32.5,-15.5 32.5,-7.75 27.8,-7.75 27.8,-15.3 1.25,-15.3 1.25,-5 17.3,-5
DGND on INT2 "DGND_L03_P010" (solid, pour order 10): -4,-26.5 -4,-22.5 -10,-22.5 cw(c-10,-21.5) -11,-21.5 -11,6.5 cw(c-10,6.5) -10,7.5 -4,7.5 -4,17.5 43.5,17.5 43.5,7.5 49.5,7.5 cw(c49.5,6.5) 50.5,6.5 50.5,-21.5 cw(c49.5,-21.5) 49.5,-22.5 43.5,-22.5 43.5,-26.5 cw(c42.5,-26.5) 42.5,-27.5 -3,-27.5 cw(c-3,-26.5)
+3.3V(A) on Bottom Layer "+3.3V(A)_L04_P014" (solid, remove dead copper, pour order 14): 18.25,-2.4 18.25,-6.25 0.65,-6.25 0.25,-5.85 0.25,-2.4
+3.3V(D) on Top Layer "+3.3V(D)_L01_P001" (solid, remove dead copper, pour order 1): 8.75,-7 16.5,-7 16.5,-13.2 8.75,-13.2

## Keep-outs
Top Layer:
  lines w0.1: -10.5,-19.5 ccw(c-7.5,-19.5) -4.5,-19.5 -4.5,-16.5 ccw(c-7.5,-16.5) -10.5,-16.5 -10.5,-19.5 ; -10.5,1.5 ccw(c-7.5,1.5) -4.5,1.5 -4.5,4.5 ccw(c-7.5,4.5) -10.5,4.5 -10.5,1.5 ; 44,-19.5 ccw(c47,-19.5) 50,-19.5 50,-16.5 ccw(c47,-16.5) 44,-16.5 44,-19.5 ; 44,1.5 ccw(c47,1.5) 50,1.5 50,4.5 ccw(c47,4.5) 44,4.5 44,1.5
Bottom Layer:
  lines w0.1: -11,-12.5 -4.5,-12.5 -4.5,-22.5 ; -11,-2.5 -4.5,-2.5 -4.5,7.5 ; 44,-22.5 44,-12.5 50.5,-12.5 ; 44,7.5 44,-2.5 50.5,-2.5
Keep-Out Layer:
  lines w0.2: -3,-27.5 cw(c-3,-26.5) -4,-26.5 -4,-22.5 -10,-22.5 cw(c-10,-21.5) -11,-21.5 -11,6.5 cw(c-10,6.5) -10,7.5 -4,7.5 -4,16.5 cw(c-3,16.5) -3,17.5 ; -3,-27.5 42.5,-27.5 ; -3,-27.5 -3,-32.5 42.5,-32.5 42.5,-27.5 ; -3,17.5 42.5,17.5 ; -3,17.5 -3,22.5 42.5,22.5 42.5,17.5 ; 42.5,-27.5 ccw(c42.5,-26.5) 43.5,-26.5 43.5,-22.5 49.5,-22.5 ccw(c49.5,-21.5) 50.5,-21.5 50.5,6.5 ccw(c49.5,6.5) 49.5,7.5 43.5,7.5 43.5,16.5 ccw(c42.5,16.5) 42.5,17.5

## Other copper
Top Layer:
  region net DGND: 13.1,-14.1 13.1,-19.8 15.9,-19.8 15.9,-14.1
INT2:
  rectangle net AGND: 3.1,-20 5.9,-18.6
Bottom Layer:
  region net AGND: 14.7,1.3 14.7,-0.5 17.3,-0.5 17.3,1.3
  pour cut-out: 7.8,-3.225 6.6,-3.225 6.6,-5.275 7.8,-5.275
  region net +5V(D): 8.8,-16.9 8.8,-17.7 12.5,-17.7 13.2,-17.7 13.2,-17 16.1,-17 16.1,-18.5 4.7,-18.5 4.7,-18.9 6.75,-20.95 6.75,-21.5 6,-21.5 6,-21 4.5,-19.5 2.3,-19.5 2.3,-16.9
  region net DGND: 3.1,-20.5 3.5,-20.5 4.1,-21.1 4.1,-23.5 5,-23.5 5,-21.2 3.7,-19.9 1.8,-19.9 1.8,-15.7 9.5,-15.7 9.5,-13.9 0,-13.9 0,-20.5

## Silkscreen, mask and mechanical layers (free items; w line width, h text height)
Top Overlay:
  lines w0.15: -2.05,-19.7 -0.55,-19.7 ; 41.71,-7.5 43.21,-7.5 ; -2.05,-20.95 -0.55,-20.95 -1.3,-19.7 -2.05,-20.95 ; 41.71,-6.25 43.21,-6.25 42.46,-7.5 41.71,-6.25
  text "XS1" at -1.9,12.7 h1.5 r90
  text "18" at 14.2,8.9 h1.5
  text "14" at 19.2,8.9 h1.5
  text "19" at 11.5,6.2 h1.5 r90
  text "13" at 23.1,6 h1.5 r270
  text "9" at 23.1,0.7 h1.5 r270
  text "3" at 11.5,0.3 h1.5 r90
  text "4" at 15.1,-2.9 h1.5 r180
  text "8" at 20,-2.9 h1.5 r180
  text "TEST" at 43.4,-5.7 h1.5 r90
  text "5V" at -2.5,-17.4 h1.5 r90
  text "468332.338" at 29.25,-26.25 h2.5
Bottom Overlay:
  text "1" at 22.6,14.6 h1.5
  text "2" at 22.6,11.9 h1.5
  text "PWM" at 18.7,9.3 h1.5
  text "Э253421" at -9.5,-11 h2.5 r270
  text "HALL" at 25.6,-26.7 h1.5
  text "MAIN" at 1.8,-26.8 h1.5
Drill Drawing:
  circle w0.254: c62.551,-8.47 r0.847
  lines w0.254: 61.704,-5.507 63.397,-5.507 63.397,-3.813 61.704,-3.813 61.704,-5.507 ; 61.704,-0.003 63.397,-0.003 62.551,-1.697 61.704,-0.003 ; 61.704,2.113 61.704,2.537 62.127,2.96 61.704,3.383 61.704,3.807 62.127,3.807 62.551,3.383 62.974,3.807 63.397,3.807 63.397,3.383 62.974,2.96 63.397,2.537 63.397,2.113 62.974,2.113 62.551,2.537 62.127,2.113 61.704,2.113 ; 61.704,6.347 62.127,6.347 62.551,5.923 62.974,6.347 63.397,6.347 62.974,6.77 63.397,7.193 62.974,7.193 62.551,7.617 62.127,7.193 61.704,7.193 62.127,6.77 61.704,6.347
  lines w0.381: 60.185,-10.46 407.61,-10.46 ; 60.185,8.59 407.61,8.59 ; 74.177,-14.27 74.177,12.4 ; 89.159,-14.27 89.159,12.4 ; 118.107,-14.27 118.107,12.4 ; 130.956,-14.27 130.956,12.4 ; 149.595,-14.27 149.595,12.4 ; 187.683,-14.27 187.683,12.4 ; 202.666,-14.27 202.666,12.4 ; 221.609,-14.27 221.609,12.4 ; 252.842,-14.27 252.842,12.4 ; 274.527,-14.27 274.527,12.4 ; 308.401,-14.27 308.401,12.4 ; 342.274,-14.27 342.274,12.4 ; 371.984,-14.27 371.984,12.4 ; 60.185,-14.27 407.61,-14.27 407.61,12.4 60.185,12.4 60.185,-14.27
  text "Symbol" at 62.471,9.733 h1.83
  text "Count" at 75.32,9.733 h1.83
  text "Hole Size" at 90.302,9.733 h1.83
  text "Plated" at 119.25,9.733 h1.83
  text "Hole Type" at 132.099,9.733 h1.83
  text "Drill Layer Pair" at 150.738,9.733 h1.83
  text "Via/Pad" at 188.826,9.733 h1.83
  text "Pad Shape" at 203.809,9.733 h1.83
  text "Template" at 222.752,9.733 h1.83
  text "Description" at 253.985,9.733 h1.83
  text "Hole Tolerance (+)" at 275.67,9.733 h1.83
  text "Hole Tolerance (-)" at 309.544,9.733 h1.83
  text "Hole Length" at 343.417,9.733 h1.83
  text "Routed Path Length" at 373.127,9.733 h1.83
  text "4" at 75.32,5.923 h1.52
  text "2,200mm (86,61mil)" at 90.302,5.923 h1.52
  text "NPTH" at 119.25,5.923 h1.52
  text "Round" at 132.099,5.923 h1.52
  text "Top Layer - Bottom Layer" at 150.738,5.923 h1.52
  text "Pad" at 188.826,5.923 h1.52
  text "Rounded" at 203.809,5.923 h1.52
  text "c220hn220m240" at 222.752,5.923 h1.52
  text "-" at 343.417,5.923 h1.52
  text "-" at 373.127,5.923 h1.52
  text "4" at 75.32,2.113 h1.52
  text "3,000mm (118,11mil)" at 90.302,2.113 h1.52
  text "NPTH" at 119.25,2.113 h1.52
  text "Slot" at 132.099,2.113 h1.52
  text "Top Layer - Bottom Layer" at 150.738,2.113 h1.52
  text "Pad" at 188.826,2.113 h1.52
  text "Rounded" at 203.809,2.113 h1.52
  text "c0hn300_500m520_320" at 222.752,2.113 h1.52
  text "5,000mm (196,85mil)" at 343.417,2.113 h1.52
  text "2,000mm (78,74mil)" at 373.127,2.113 h1.52
  text "18" at 75.32,-1.697 h1.52
  text "1,000mm (39,37mil)" at 90.302,-1.697 h1.52
  text "PTH" at 119.25,-1.697 h1.52
  text "Round" at 132.099,-1.697 h1.52
  text "Top Layer - Bottom Layer" at 150.738,-1.697 h1.52
  text "Pad" at 188.826,-1.697 h1.52
  text "(Mixed)" at 203.809,-1.697 h1.52
  text "(Mixed)" at 222.752,-1.697 h1.52
  text "-" at 343.417,-1.697 h1.52
  text "-" at 373.127,-1.697 h1.52
  text "20" at 75.32,-5.507 h1.52
  text "0,800mm (31,50mil)" at 90.302,-5.507 h1.52
  text "PTH" at 119.25,-5.507 h1.52
  text "Round" at 132.099,-5.507 h1.52
  text "Top Layer - Bottom Layer" at 150.738,-5.507 h1.52
  text "Pad" at 188.826,-5.507 h1.52
  text "(Mixed)" at 203.809,-5.507 h1.52
  text "(Mixed)" at 222.752,-5.507 h1.52
  text "-" at 343.417,-5.507 h1.52
  text "-" at 373.127,-5.507 h1.52
  text "126" at 75.32,-9.317 h1.52
  text "0,300mm (11,81mil)" at 90.302,-9.317 h1.52
  text "PTH" at 119.25,-9.317 h1.52
  text "Round" at 132.099,-9.317 h1.52
  text "Top Layer - Bottom Layer" at 150.738,-9.317 h1.52
  text "Via" at 188.826,-9.317 h1.52
  text "Rounded" at 203.809,-9.317 h1.52
  text "v70h30m0mx0" at 222.752,-9.317 h1.52
  text "-" at 343.417,-9.317 h1.52
  text "-" at 373.127,-9.317 h1.52
  text "172 Total" at 75.32,-13.127 h1.52
  text "Slot definitions :" at 62.471,-16.809 h1.52
  text "Routed Path Length" at 88.701,-16.809 h1.52
  text "= Calculated from tool start centre position to tool end centre position." at 116.709,-16.809 h1.52
  text "Hole Length" at 88.701,-19.348 h1.52
  text "= Routed Path Length + Tool Size = Slot length as defined in the PCB layout" at 106.299,-19.348 h1.52

## Dimensions
-3,22.5 to -3,-32.5 on Size
-11,6.5 to 50.5,6.5 on Size

## Text inside footprints (layer, text, board x,y; h text height)
XP4: Bottom Overlay "5" at 32.9,-18.5 h1.5 r90; Bottom Overlay "1" at 28.8,-18.6 h1.5 r90
XP5: Bottom Overlay "1" at 0.3,-18.2 h1.5 r90